# Altium PCB PMSM_LCP037_V0.3.PcbDoc (part 2 of 2)
Units mil, origin at the board's own origin, x right, y up, seen from the top; angles counter-clockwise.
Board outline 6102.36 x 5157.48 mil, 2 copper layers (Top Layer, Bottom Layer); 134 components, 72 nets, 340 pads, 815 vias.
Unrouted connection lines stored in the file: 2.
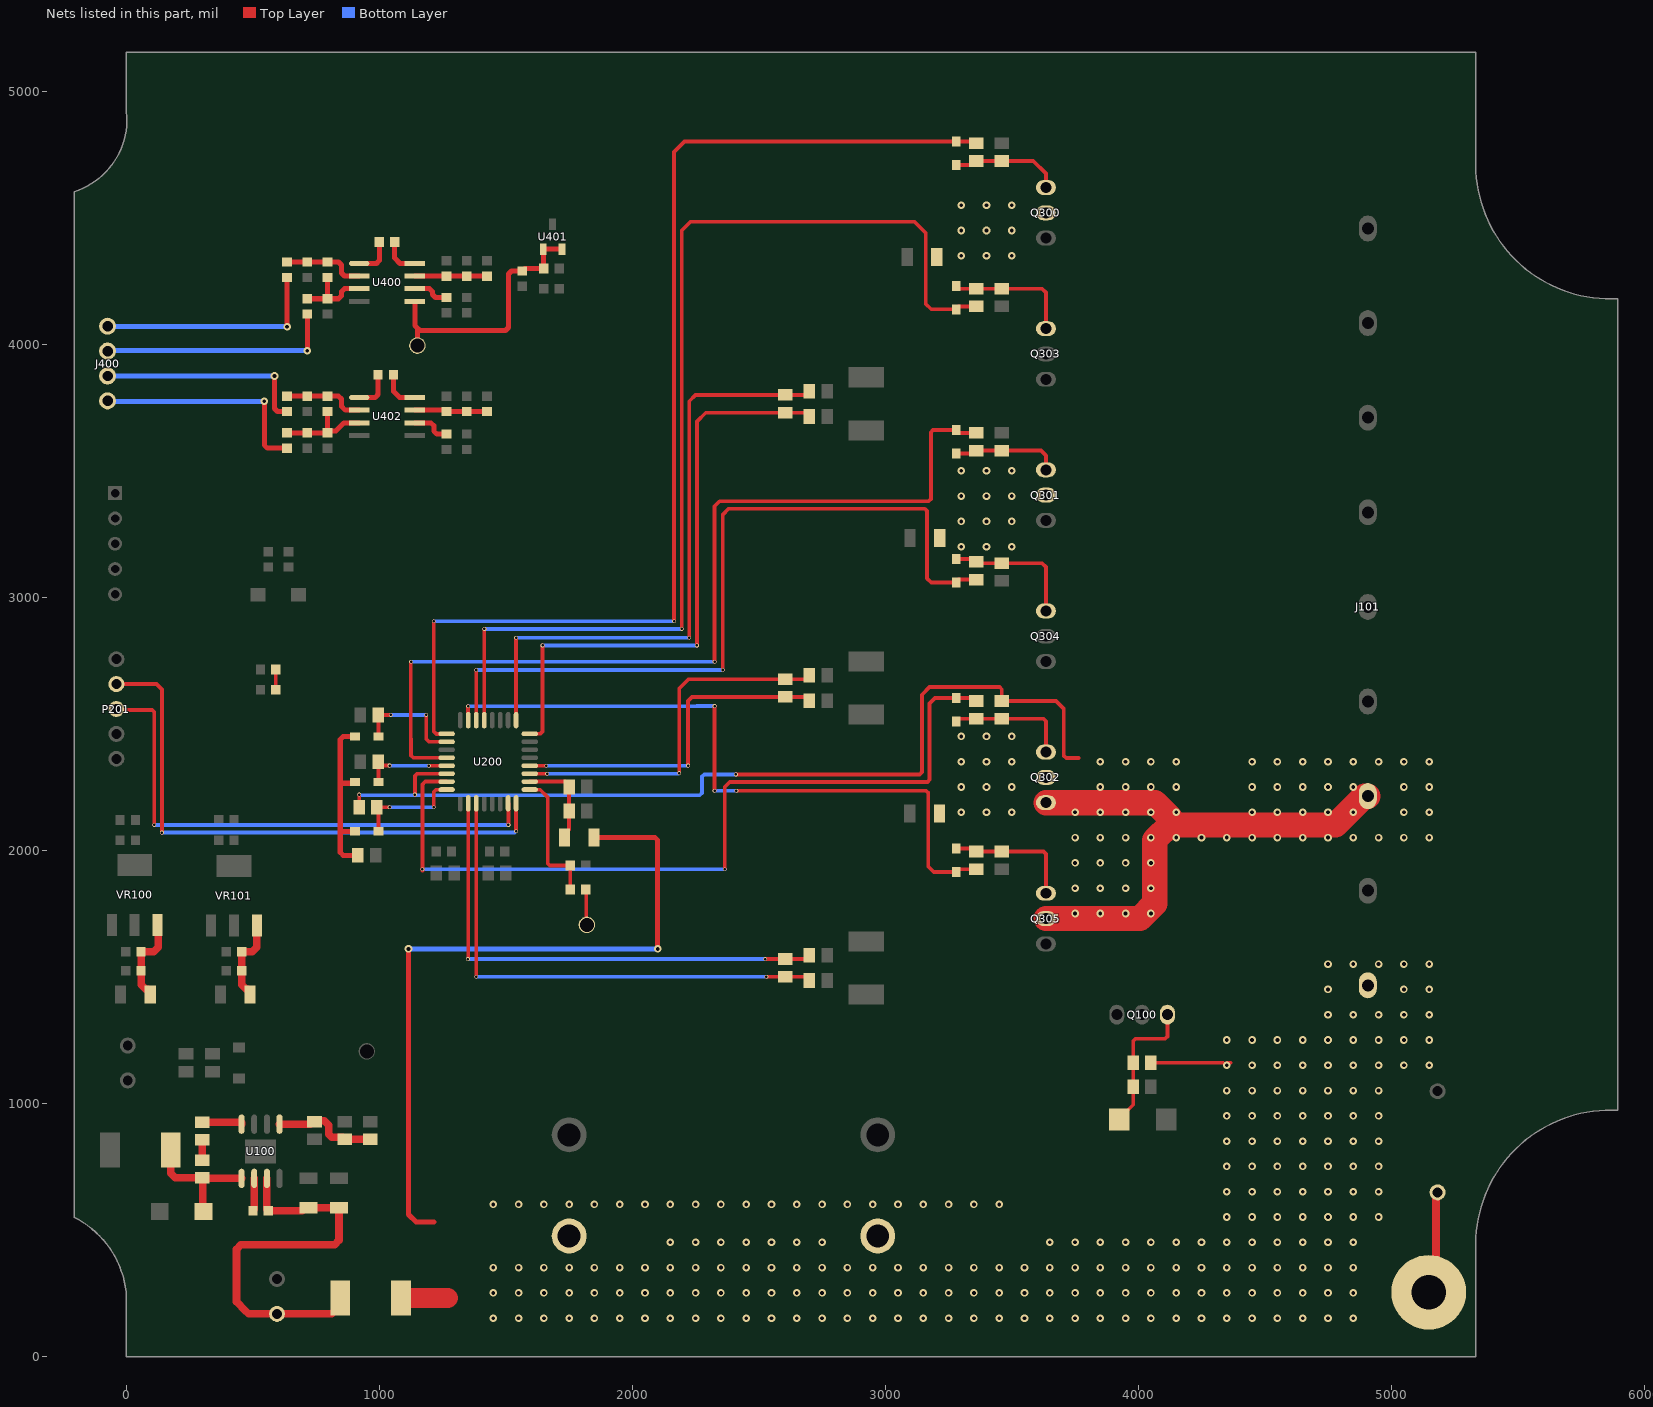
[diagram p2: the nets of this part, all layers, seen from the top]

## Via types
v1: diameter 30, hole 15, Top Layer to Bottom Layer, 713 vias
v2: diameter 15, hole 10, Top Layer to Bottom Layer, 65 vias
v3: diameter 20, hole 12, Top Layer to Bottom Layer, 33 vias
v4: diameter 24, hole 15, Top Layer to Bottom Layer, 4 vias

## Nets (pads, with @x,y where several pads share a name; then routed paths per layer and width w, separated by ;. In a path a pad name is that pad's centre, name@x,y a point inside that pad or via, vN(x,y) a via of type N, cw(c..) or ccw(c..) an arc to the next point about the centre after c; other vN are vias at no path point) (continued)
MOTOR-C: C205.1 J101.3 Q302.3 Q305.2 R304.1 U200.30 | length 5909.1
  Top Layer w15: C205.1@919.96,2170 C205.1@919.96,2170 v2(920,2220) ; v2(1140,2220) 1140,2293.97 1148.79,2302.76 U200.30@1265.63,2302.76 ; v2(2409.32,2300) 3136.21,2300 3145,2308.79 3145,2615 3175,2645 3451.21,2645 3460,2636.21 R304.1@3460,2590.08 3674.92,2590.08 3705,2560 3705,2375 3715,2365 3765,2365
  Top Layer w100: Q305.2@3635,1730 4006.42,1730 4065,1788.58 4065,2040 4125,2100 ; Q302.3@3635,2188 4066.42,2188 4125,2129.42 4125,2100 ; J101.3@4907.48,2214.05 4894.09,2214.05 4780.04,2100 4125,2100
  Bottom Layer w15: v2(920,2220) 922.5,2217.5 2266.21,2217.5 2275,2226.29 2275,2291.21 2283.79,2300 v2(2409.32,2300)
  other v1: 3750,1750 3850,1750 3950,1750 4050,1750 3750,1850 3850,1850 3950,1850 4050,1850 3750,1950 3850,1950 3950,1950 4050,1950 3750,2050 3850,2050 3950,2050 4050,2050 4150,2050 4250,2050 4350,2050 4450,2050 4550,2050 4650,2050 4750,2050 4850,2050 4950,2050 5050,2050 5150,2050 3750,2150 3850,2150 3950,2150 4050,2150 4150,2150 4450,2150 4550,2150 4650,2150 4750,2150 4850,2150 5050,2150 5150,2150 3850,2250 3950,2250 4050,2250 4150,2250 4450,2250 4550,2250 4650,2250 4750,2250 4850,2250 5050,2250 5150,2250 3850,2350 3950,2350 4050,2350 4150,2350 4450,2350 4550,2350 4650,2350 4750,2350 4850,2350 4950,2350 5050,2350 5150,2350
MPPT-I: J400.2 R403.1 | length 935.3
  Top Layer w20: v1(715,3975) R403.1@715,4119.69
  Bottom Layer w20: J400.2@-75,3973.42 -73.43,3975 v1(715,3975)
MPPT-POWER: J400.4 R406.2 | length 889.1
  Top Layer w20: v1(545,3775) 545,3601.4 556.72,3589.68 R406.2@635,3589.68
  Bottom Layer w20: J400.4@-75,3776.58 -73.43,3775 v1(545,3775)
NetC103_1: C103.1 R100.1 R103.2 U100.5 | length 414.1
  Top Layer w30: U100.5@605,917.11 726.75,917.11 739.65,930 782.43,930 800,912.43 800,877.57 812.26,865.31 855.47,865.31 R100.1@863.31,857.48 C103.1@963.31,857.48
NetC104_2: C104.2 C105.2 R105.2 VR100.3 | length 354.3
  Top Layer w30: R105.2@93.66,1430 93.66,1443.19 86.42,1450.43 75.37,1450.43 57.8,1468.01 C104.2@57.8,1523.31 C105.2@57.8,1598.31 107.43,1598.31 125,1615.88 125,1703.23 VR100.3@123.03,1705.2
NetC109_1: C109.1 D100.1 L100.1 U100.1 | length 513.9
  Top Layer w30: L100.1@175,815 175,722.53 192.57,704.96 C109.1@300,704.96 C109.1@301.03,703.93 ; D100.1@303.99,571.83 301.99,573.83 301.99,702.97 C109.1@301.03,703.93 ; U100.1@455,702.89 453.97,703.93 C109.1@301.03,703.93
NetC109_2: C109.2 R102.1 | length 79.9
  Top Layer w30: C109.2@300,775.04 R102.1@300,854.96
NetC110_1: C110.1 C111.2 C112.2 L101.2 R104.2 U100.3 | length 1643.3
  Top Layer w30: U100.3@555,702.89 555,581.3 560.32,575.98 R104.2@560.32,575 695.47,575 706.81,586.34 C112.2@720,586.34 C111.2@840,586.34 840,457.57 822.43,440 452.57,440 435,422.43 435,215 470.01,179.99 482.8,167.2 C110.1@595,167.2 811.73,167.2 845,200.47 L101.2@845,230
NetC116_2: C116.2 C117.2 R109.2 VR101.3 | length 340.3
  Top Layer w30: R109.2@488.66,1430 488.66,1443.19 481.42,1450.43 472.89,1450.43 455.32,1468.01 C116.2@455.32,1523.31 C117.2@455.32,1598.31 497.43,1598.31 515,1615.88 515,1701.34 VR101.3@515.55,1701.89
NetC400_1: C400.1 C402.2 R402.2 U400.2 | length 326.6
  Top Layer w20: R402.2@635,4325.32 C400.1@715,4325.32 C402.2@795,4325.32 838.28,4325.32 850,4313.6 850,4281.72 861.72,4270 U400.2@920,4270
NetC401_1: C401.1 R409.1 R412.1 U400.7 | length 285.1
  Top Layer w20: U400.7@1140,4270 1264.69,4270 C401.1@1265,4269.68 R412.1@1425,4269.69
NetC402_1: C402.1 C405.2 R403.2 U400.3 | length 315.3
  Top Layer w20: R403.2@715,4180.32 C405.2@795,4180.32 ; C402.1@795,4264.68 C405.2@795,4180.32 ; U400.3@920,4220 861.72,4220 850,4208.28 850,4192.03 838.28,4180.32 C405.2@795,4180.32
NetC407_1: C407.1 C409.2 R405.2 U402.2 | length 324.7
  Top Layer w20: R405.2@635,3795.32 C407.1@715,3795.32 C409.2@795,3795.32 838.28,3795.32 850,3783.6 850,3755 865,3740 U402.2@920,3740
NetC408_1: C408.1 R410.1 R413.1 U402.7 | length 287.2
  Top Layer w20: U402.7@1140,3740 1259.69,3740 C408.1@1265,3734.68 R413.1@1425,3734.69
NetC409_1: C409.1 C410.2 R406.1 R408.2 U402.3 | length 385.8
  Top Layer w20: R406.1@635,3650.31 R408.2@715,3650.32 C410.2@795,3650.32 ; C409.1@795,3734.68 C410.2@795,3650.32 ; U402.3@920,3690 860,3690 827.67,3657.67 802.35,3657.67 C410.2@795,3650.32
NetD101_A: D101.A R101.1 | length 80
  Top Layer w15: R101.1@590.31,2635 D101.A@590.32,2715
NetD103_2: D103.2 Q100.1 R106.1 R112.2 | length 562.9
  Top Layer w15: D103.2@3924.11,935 3924.11,937.85 3979.96,993.7 R112.2@3979.96,1065 R106.1@3979.96,1160 3979.96,1246.21 3988.75,1255 4106.21,1255 4115,1263.79 Q100.1@4115,1350
NetD200_1: D200.1 D201.1 D202.1 R203.2 | length 703.7
  Top Layer w20: D201.1@903.43,2270 898.43,2265 845,2265 ; D202.1@903.43,2450 856.72,2450 845,2438.28 845,2265 ; D200.1@903.54,2075 845,2075 ; R203.2@914.96,1980 856.72,1980 845,1991.72 845,2075 ; 845,2075 845,2265
NetD300_1: D300.1 Q301.1 R300.2 R303.2 | length 424
  Top Layer w15: D300.1@3280,3568.54 3348.58,3568.54 R300.2@3360,3579.96 R303.2@3460,3579.96 3615.04,3579.96 3635,3560 Q301.1@3635,3504
NetD301_1: D301.1 Q302.1 R301.2 R304.2 | length 487.4
  Top Layer w15: D301.1@3280,2508.58 3280,2511.16 3288.84,2520 R301.2@3360,2520 R304.2@3460,2520 3625,2520 3635,2510 Q302.1@3635,2388
NetD302_1: D302.1 Q304.1 R306.2 R309.2 | length 542
  Top Layer w15: D302.1@3280,3151.46 3348.58,3151.46 R306.2@3360,3140.04 3365,3135.04 R309.2@3460,3135.04 R309.2@3460,3135.04 3620,3135 3635,3120 Q304.1@3635,2946
NetD303_1: D303.1 Q300.1 R302.2 R305.2 | length 437.5
  Top Layer w15: D303.1@3280,4708.54 3337.48,4708.54 3353.9,4724.96 R302.2@3360,4724.96 R305.2@3460,4724.96 3585.04,4724.96 3635,4675 Q300.1@3635,4620
NetD304_1: D304.1 Q305.1 R307.2 R310.2 | length 518.9
  Top Layer w15: D304.1@3280,2006.46 3353.58,2006.46 3365,1995.04 R310.2@3460,1995.04 3624.96,1995.04 3635,1985 Q305.1@3635,1830
NetD307_1: D307.1 Q303.1 R308.2 R311.2 | length 510.5
  Top Layer w15: D307.1@3280,4231.46 3280,4228.88 3288.84,4220.04 R308.2@3360,4220.04 R311.2@3460,4220.04 R311.2@3460,4220.04 3620,4220 3635,4205 Q303.1@3635,4062
NetJ400_1: J400.1 R402.1 | length 905.5
  Top Layer w20: v1(635,4070) R402.1@635,4264.69
  Bottom Layer w20: J400.1@-75,4071.85 -73.15,4070 v1(635,4070)
NetJ400_3: J400.3 R405.1 | length 845
  Top Layer w20: v1(585,3875) 585,3746.4 596.72,3734.69 R405.1@635,3734.69
  Bottom Layer w20: J400.3@-75,3875 v1@586.54,3875
NetR102_2: R102.2 U100.8 | length 161.1
  Top Layer w30: R102.2@300,925.04 451.85,925.04 455,921.89 U100.8@455,917.11
NetR104_1: R104.1 U100.2 | length 121.6
  Top Layer w30: R104.1@505,581.3 U100.2@505,702.89
NetR200_1: R200.1 R201.2 U200.9 | length 532.5
  Top Layer w15: U200.9@1594.37,2239.76 1595.12,2239.02 1635.98,2239.02 1665,2210 1665,1948.79 1673.79,1940 R200.1@1754.69,1940 R201.2@1754.68,1845
NetR201_1: R201.1 T200.1 | length 141.9
  Top Layer w15: R201.1@1815.31,1845 1817.66,1842.66 1817.66,1707.34 T200.1@1820,1705
NetR400_1: R400.1 U400.1 | length 157.8
  Top Layer w20: U400.1@920,4320 987.97,4320 999.69,4331.72 R400.1@999.69,4405
NetR400_2: R400.2 U400.8 | length 152.1
  Top Layer w20: R400.2@1060.32,4405 1060.32,4341.4 1081.72,4320 U400.8@1140,4320
NetR404_1: R404.1 U400.6 | length 146.4
  Top Layer w20: U400.6@1140,4220 1198.28,4220 1210,4208.28 1210,4196.72 1221.72,4185 1264.69,4185 R404.1@1265,4185.31
NetR407_1: R407.1 U402.6 | length 156
  Top Layer w20: U402.6@1140,3690 1203.28,3690 1215,3678.28 1215,3657.03 1226.72,3645.31 R407.1@1265,3645.31
NetR411_1: R411.1 U402.1 | length 157.8
  Top Layer w20: U402.1@920,3790 982.97,3790 994.69,3801.72 R411.1@994.69,3880
NetR411_2: R411.2 U402.8 | length 160.2
  Top Layer w20: R411.2@1055.32,3880 1055.32,3814.68 1080,3790 U402.8@1140,3790
OPA0N: C303.1 R318.1 U200.16 | length 2355.4
  Top Layer w15: U200.16@1594.37,2460.24 1595.12,2460.98 1636.21,2460.98 1645,2469.77 v2(1645,2810) ; v2(2255,2810) 2255,3695 2289.96,3729.96 C303.1@2605,3729.96 2685,3729.96 R318.1@2699.96,3715
  Bottom Layer w15: v2(1645,2810) v2(2255,2810)
OPA0P: C303.2 R313.1 U200.17 | length 2437.3
  Top Layer w15: v2(1540,2840) 1540.24,2839.76 U200.17@1540.24,2514.37 ; v2(2225,2840) 2225,3775 2250,3800 2400,3800 2400.04,3800.04 C303.2@2605,3800.04 2685,3800.04 R313.1@2699.96,3815
  Bottom Layer w15: v2(1540,2840) v2(2225,2840)
OPA1N: C305.1 R320.1 U200.3 | length 2009
  Top Layer w15: v2(1382.77,1500) U200.3@1382.76,2185.63 ; v2(2530,1500) C305.1@2605,1499.96 C305.1@2605,1499.96 2685,1499.96 R320.1@2699.96,1485
  Bottom Layer w15: v2(1382.77,1500) v2(2530,1500)
OPA1P: C305.2 R315.1 U200.2 | length 1999.9
  Top Layer w15: v2(1350,1570) 1351.26,1571.26 U200.2@1351.26,2185.63 1350.51,2184.88 1350.51,2159.1 U200.2@1350,2158.58 ; v2(2525,1570) C305.2@2605,1570.04 C305.2@2605,1570.04 2685,1570.04 R315.1@2699.96,1585
  Bottom Layer w15: v2(1350,1570) v2(2525,1570)
OPA2N: C304.1 R319.1 U200.12 | length 1373.8
  Top Layer w15: U200.12@1594.37,2334.25 v2(1659.25,2334.25) ; v2(2220,2335) 2220,2590 2236.18,2606.18 C304.1@2605,2606.18 2685,2606.18 R319.1@2699.96,2591.22
  Bottom Layer w15: v2(1659.25,2334.25) 2219.25,2334.25 v2(2220,2335)
OPA2P: C304.2 R314.1 U200.11 | length 1462.7
  Top Layer w15: U200.11@1594.37,2302.76 v2(1662.76,2302.76) ; v2(2185,2305) 2185,2640 2221.26,2676.26 C304.2@2605,2676.26 2685,2676.26 R314.1@2699.96,2691.22
  Bottom Layer w15: v2(1662.76,2302.76) 2182.76,2302.76 v2(2185,2305)
PA0-DIO: P201.3 U200.7 | length 2087.4
  Top Layer w15: P201.3@-40,2558.43 -36.57,2555 101.21,2555 110,2546.21 v2(110,2100) ; U200.7@1508.74,2185.63 1510,2184.37 v2(1510,2100)
  Bottom Layer w15: v2(110,2100) v2(1510,2100)
PA1-CLK: P201.2 U200.8 | length 2267.2
  Top Layer w15: P201.2@-40,2656.85 118.15,2656.85 140,2635 v2(140,2070) ; v2@1540,2075 v2(1540.24,2075.24) U200.8@1540.24,2185.63
  Bottom Layer w15: v2(140,2070) 1535,2070 v2(1540.24,2075.24)
PE: C115.2 T101.6 | length 409.5
  Top Layer w30: T101.6@5148.31,252.52 5176.99,281.21 5176.99,641.21 C115.2@5183.31,647.52
POWER: C300.2 C301.2 C302.2 C310.1 C311.1 J101.1 L101.1 Q300.2 Q301.2 Q302.2 R106.2 R107.2 | length 3337
  Top Layer w15: R106.2@4050.04,1160 4335.94,1160 4345.94,1150 v1(4350,1150) ; v1@4350,1160 4365,1160
  Top Layer w20: v1(1115,1610) 1115,560 1145,530 1215,530 ; R107.2@1848.66,2050 2090,2050 2100,2040 v1(2100,1610)
  Top Layer w80: L101.1@1085,230 1270,230
  Bottom Layer w20: v1(1115,1610) v1(2100,1610)
  other v1: 1450,150 1550,150 1650,150 1750,150 1850,150 1950,150 2050,150 2150,150 2250,150 2350,150 2450,150 2550,150 2650,150 2750,150 2850,150 2950,150 3050,150 3150,150 3250,150 3350,150 3450,150 3550,150 3650,150 3750,150 3850,150 3950,150 4050,150 4150,150 4250,150 4350,150 4450,150 4550,150 4650,150 4750,150 4850,150 1450,250 1550,250 1650,250 1750,250 1850,250 1950,250 2050,250 2150,250 2250,250 2350,250 2450,250 2550,250 2650,250 2750,250 2850,250 2950,250 3050,250 3150,250 3250,250 3350,250 3450,250 3550,250 3650,250 3750,250 3850,250 3950,250 4050,250 4150,250 4250,250 4350,250 4450,250 4550,250 4650,250 4750,250 4850,250 1450,350 1550,350 1650,350 1750,350 1850,350 1950,350 2050,350 2150,350 2250,350 2350,350 2450,350 2550,350 2650,350 2750,350 2850,350 2950,350 3050,350 3150,350 3250,350 3350,350 3450,350 3550,350 3650,350 3750,350 3850,350 3950,350 4050,350 4150,350 4250,350 4350,350 4450,350 4550,350 4650,350 4750,350 4850,350 2150,450 2250,450 2350,450 2450,450 2550,450 2650,450 2750,450 3650,450 3750,450 3850,450 3950,450 4050,450 4150,450 4250,450 4250,450 4350,450 4450,450 4550,450 4650,450 4750,450 4850,450 4350,550 4450,550 4550,550 4650,550 4750,550 4850,550 4950,550 1450,600 1550,600 1650,600 1750,600 1850,600 1950,600 2050,600 2150,600 2250,600 2350,600 2450,600 2550,600 2650,600 2750,600 2850,600 2950,600 3050,600 3150,600 3250,600 3350,600 3450,600 4350,650 4450,650 4550,650 4650,650 4750,650 4850,650 4950,650 4350,750 4450,750 4550,750 4650,750 4750,750 4850,750 4950,750 4350,850 4450,850 4550,850 4650,850 4750,850 4850,850 4950,850 4350,950 4450,950 4550,950 4650,950 4750,950 4850,950 4950,950 4350,1050 4450,1050 4550,1050 4650,1050 4750,1050 4850,1050 4950,1050 4450,1150 4550,1150 4650,1150 4750,1150 4850,1150 4950,1150 5050,1150 5150,1150 4350,1250 4450,1250 4550,1250 4650,1250 4750,1250 4850,1250 4950,1250 5050,1250 5150,1250 4750,1350 4850,1350 4950,1350 5050,1350 5150,1350 4750,1450 5050,1450 5150,1450 4750,1550 4850,1550 4950,1550 5050,1550 5150,1550 3300,2150 3400,2150 3500,2150 3300,2250 3400,2250 3500,2250 3300,2350 3400,2350 3500,2350 3300,2450 3400,2450 3500,2450 3300,3200 3400,3200 3500,3200 3300,3300 3400,3300 3500,3300 3300,3400 3400,3400 3500,3400 3300,3500 3400,3500 3500,3500 3300,4350 3400,4350 3500,4350 3300,4450 3400,4450 3500,4450 3300,4550 3400,4550 3500,4550
UH: D303.2 R302.1 U200.25 | length 4509.7
  Top Layer w15: v2(1215,2905) 1215,2470 1225,2460 1265.39,2460 U200.25@1265.63,2460.24 ; v2(2165,2905) 2165,4760 2206.46,4801.46 D303.2@3280,4801.46 3353.58,4801.46 R302.1@3360,4795.04
  Bottom Layer w15: v2(1215,2905) v2(2165,2905)
UL: D307.2 R308.1 U200.21 | length 4209.2
  Top Layer w15: U200.21@1414.25,2514.37 1414.25,2874.25 v2(1415,2875) ; v2(2195,2875) 2195,4450 2230,4485 3115,4485 3160,4440 3160,4160 3181.46,4138.54 D307.2@3280,4138.54 3280,4141.12 3288.84,4149.96 R308.1@3360,4149.96
  Bottom Layer w15: v2(1415,2875) v2(2195,2875)
VB-U: C205.2 D200.2 U200.32 | length 437.4
  Top Layer w15: D200.2@996.46,2075 996.46,2163.58 C205.2@990.04,2170 v2(1040,2170) ; v2(1215,2170) 1215,2230.23 1223.79,2239.02 1264.88,2239.02 U200.32@1265.63,2239.76
  Bottom Layer w15: v2(1040,2170) v2(1215,2170)
VB-V: C206.2 D201.2 U200.29 | length 355.8
  Top Layer w15: C206.2@994.92,2350 C206.2@996.34,2348.58 ; D201.2@996.34,2270 C206.2@996.34,2348.58 ; v2(1040,2335) 1009.92,2335 C206.2@996.34,2348.58 ; v2(1195.75,2334.25) U200.29@1265.63,2334.25
  Bottom Layer w15: v2(1040,2335) 1040.75,2334.25 v2(1195.75,2334.25)
VB-W: C207.2 D202.2 U200.26 | length 456
  Top Layer w15: D202.2@996.34,2450 996.34,2533.58 C207.2@994.92,2535 v2(1045,2535) ; v2(1185,2535) 1185,2440 1190.01,2434.99 1196.26,2428.74 U200.26@1265.63,2428.74
  Bottom Layer w15: v2(1045,2535) v2(1185,2535)
VCC1.25REF: C404.2 R401.2 T400.1 U400.5 U401.1 U401.3 | length 1061.3
  Top Layer w20: U400.5@1140,4170 1140,4075 1150,4065 ; T400.1@1150,3995 1150,4065 ; U401.3@1722.4,4376.6 U401.1@1647.6,4376.6 1648.8,4375.4 1648.8,4301.2 R401.2@1650,4300 1575.67,4300 1565.98,4290.32 1521.72,4290.32 1510,4278.6 1510,4066.72 1498.28,4055 1160,4055 1150,4065
Vdect: C108.2 R107.1 R108.2 U200.10 | length 375.6
  Top Layer w15: U200.10@1594.37,2271.26 1734.63,2271.26 1749.96,2255.93 C108.2@1749.96,2250 R108.2@1749.96,2155 1749.96,2081.81 1731.34,2063.19 R107.1@1731.34,2050
VH: D300.2 R300.1 U200.28 | length 3650.9
  Top Layer w15: v2@1123.84,2745 1123.84,2441.16 1125,2440 1125,2374.53 1133.79,2365.75 U200.28@1265.63,2365.75 ; v2(2325,2745) 2325,3360 2345,3380 3171.21,3380 3180,3388.79 3180,3652.67 3188.79,3661.46 D300.2@3280,3661.46 3280,3658.88 3288.84,3650.04 R300.1@3360,3650.04
  Bottom Layer w15: v2(1125,2745) v2(2325,2745)
VL: D302.2 R306.1 U200.22 | length 3083.2
  Top Layer w15: v2(1382.39,2712.61) 1382.76,2712.24 U200.22@1382.76,2514.37 ; v2(2357.61,2712.61) 2357.61,3327.61 2380,3350 3156.21,3350 3165,3341.21 3165,3075 3181.46,3058.54 D302.2@3280,3058.54 3280,3061.12 3288.84,3069.96 R306.1@3360,3069.96
  Bottom Layer w15: v2(1382.39,2712.61) v2(2357.61,2712.61)
WH: D301.2 R301.1 U200.31 | length 3282.6
  Top Layer w15: v2@1170,1920 v2(1170,1925) 1170,2260 1181.26,2271.26 U200.31@1265.63,2271.26 ; v2(2365,1925) 2365,2250 2385,2270 3166.21,2270 3175,2278.79 3175,2580 3196.5,2601.5 D301.2@3280,2601.5 3348.58,2601.5 R301.1@3360,2590.08
  Bottom Layer w15: v2(1170,1925) v2@2365.55,1925
WL: D304.2 R307.1 U200.23 | length 2709.8
  Top Layer w15: v2(1350.65,2569.35) 1350.65,2514.98 U200.23@1351.26,2514.37 ; v2(2325,2235) v2(2325,2570) ; v2(2411.37,2235) 3161.21,2235 3170,2226.21 3170,1935 3191.46,1913.54 D304.2@3280,1913.54 3280,1916.12 3288.84,1924.96 R307.1@3360,1924.96
  Bottom Layer w15: v2(1350.65,2569.35) 2255,2569.35 2255.65,2570 v2(2325,2570) ; v2(2325,2235) v2(2411.37,2235)
pads on no net: J101.6 J101.7 J101.8 J101.9 P201.1 U100.6 U100.7 U100.9 U200.13
copper on no net:
  other v4: 510.32,790.31 549.69,790.31 510.32,829.68 549.69,829.68

## Polygon pours and split planes (outlines as drawn)
DGND on Bottom Layer "NONET_L02_P-001" (solid, remove dead copper, pour order 42): 2010,3260 2070,3200 2070,1670 2035,1635 700,1635 680,1655 680,2775 625,2830 445,2830 405,2870 405,3230 435,3260
GND on Bottom Layer "NONET_L02_P-001" (solid, remove dead copper, pour order 46): 4075,1277.94 3967.06,1277.94 3960,1285 3960,1490 3945,1505 3790,1505 3775,1520 3775,1645 3785,1655 4205,1655 4240,1690 4240,1920 4255,1935 5185,1935 5210,1910 5210,1680 5190,1660 4645,1660 4625,1640 4625,1430 4610,1415 4095,1415 4075,1395 4075,1295 4060,1280
DGND on Bottom Layer "DGND_L02_P044" (solid, remove dead copper, pour order 44): 970,1000 1050,920 1050,85 1015,50 440,50 420,70 420,415 350,485 40,485 -130,655 -130,975 -105,1000
DGND on Bottom Layer "NONET_L02_P-001" (solid, remove dead copper, pour order 40): 210,3535 265,3480 1885,3480 1990,3585 1990,4555 1915,4630 240,4630 210,4600
DGND on Bottom Layer "NONET_L02_P-001" (solid, remove dead copper, pour order 27): 1165,765 1200,730 2050,730 3025,730 3105,810 3105,1435 3060,1480 1225,1480 1165,1420
ISENCE on Bottom Layer "NONET_L02_P-001" (solid, remove dead copper, pour order 13): 2470,1600 2445,1625 2445,4105 2470,4130 3140,4130 3155,4115 3155,1630 3125,1600
POWER on Bottom Layer "NONET_L02_P-001" (solid, remove dead copper, pour order 10): 5185,1620 5210,1595 5210,1145 5200,1135 5080,1135 5065,1120 5065,490 5015,440 4905,440 4890,425 4890,70 1200,70 1175,95 1175,645 1210,680 4275,680 4305,710 4305,1345 4320,1360 4645,1360 4675,1390 4675,1600 4695,1620
POWER on Bottom Layer "NONET_L02_P-001" (solid, remove dead copper, pour order 6): 3700,4575 3190,4575 3180,4565 3180,565 3730,565 3730,4545
MOTOR-C on Bottom Layer "NONET_L02_P-001" (solid, remove dead copper, pour order 5): 3575,2240 3728.95,2240 3750,2261.05 3750,2380 3775,2405 5150,2405 5205,2350 5205,1980 5190,1965 4205,1965 4170,1930 4170,1700 4140,1670 3595,1670 3575,1690 3575,1780 3585,1790 3700,1790 3715,1805 3715,2075 3695,2095 3575,2095 3565,2105 3565,2230
MOTOR-B on Bottom Layer "NONET_L02_P-001" (solid, remove dead copper, pour order 3): 4127.45,3350 4149.14,3328.32 4149.14,2775.86 4170,2755 5190.53,2755 5221.3,2724.23 5221.3,2446.3 5205,2430 3770,2430 3725,2475 3725,2780 3715,2790 3585,2790 3575,2800 3575,2890 3585,2900 3700,2900 3705,2905 3705,3165 3690,3180 3590,3180 3575,3195 3575,3340 3585,3350
MOTOR-A on Bottom Layer "NONET_L02_P-001" (solid, remove dead copper, pour order 0): 4690,4465 4745,4410 4745,3205 4785,3165 5170,3165 5220,3115 5220,2790 5205,2775 4225,2775 4175,2825 4175,3595 4150,3620 3745,3620 3720,3645 3720,3895 3710,3905 3570,3905 3560,3915 3560,4000 3575,4015 3695,4015 3715,4035 3715,4340 3705,4350 3570,4350 3560,4360 3560,4455 3570,4465
DGND on Top Layer "NONET_L02_P-001" (solid, remove dead copper, pour order 41): 2010,3260 2070,3200 2070,1670 2035,1635 700,1635 680,1655 680,2775 625,2830 450,2830 405,2875 405,3225 440,3260
GND on Top Layer "NONET_L02_P-001" (solid, remove dead copper, pour order 45): 4075,1277.94 3967.06,1277.94 3960,1285 3960,1490 3945,1505 3790,1505 3775,1520 3775,1645 3785,1655 4205,1655 4240,1690 4240,1920 4255,1935 5185,1935 5210,1910 5210,1680 5190,1660 4645,1660 4625,1640 4625,1430 4610,1415 4095,1415 4075,1395 4075,1295 4060,1280
DGND on Top Layer "DGND_L01_P043" (solid, remove dead copper, pour order 43): 970,1000 1050,920 1050,85 1015,50 440,50 420,70 420,415 350,485 40,485 -130,655 -130,975 -105,1000
DGND on Top Layer "NONET_L02_P-001" (solid, remove dead copper, pour order 39): 210,3535 265,3480 1885,3480 1990,3585 1990,4555 1915,4630 240,4630 210,4600
ISENCE on Top Layer "NONET_L02_P-001" (solid, remove dead copper, pour order 38): 2815,1600 2810,1605 2810,1625 2800,1635 2460,1635 2445,1650 2445,2170 2475,2200 3115,2200 3120,2195 3120,2090 3126.3,2083.7 3146.3,2083.7 3155,2075 3155,1900 3170,1885 3545,1885 3560,1870 3560,1680 3580,1660 3715,1660 3730,1645 3730,1410 3715,1395 3100,1395 3080,1415 3080,1585 3065,1600
IU on Top Layer "NONET_L02_P-001" (solid, remove dead copper, pour order 37): 3110,4105 2445,4105 2445,4410 2470,4435 3090,4435 3110,4415
IU on Top Layer "NONET_L02_P-001" (solid, remove dead copper, pour order 36): 2815,3830 2810,3835 2810,3860 2805,3865 2455,3865 2445,3875 2445,4105 2470,4130 3140,4130 3155,4115 3155,4085 3165,4075 3535,4075 3550,4060 3550,3910 3560,3900 3700,3900 3710,3890 3710,3720 3695,3705 3015,3705 2995,3725 2995,3830
ISENCE on Top Layer "NONET_L02_P-001" (solid, remove dead copper, pour order 35): 2995,2575 2995,2645 3005,2655 3145,2655 3155,2645 3155,2340 3135,2320 2455,2320 2445,2330 2445,2565 2455,2575
IV on Top Layer "NONET_L02_P-001" (solid, remove dead copper, pour order 33): 2855,2705 2465,2705 2445,2725 2445,3305 2465,3325 3110,3325 3120,3315 3120,3025 3135,3010 3525,3010 3535,3000 3535,2790 3545,2780 3700,2780 3715,2765 3715,2625 3705,2615 3515,2615 3505,2625 3505,2655 3495,2665 3002.5,2665 2995,2680 2995,2685 2995,2705
ISENCE on Top Layer "NONET_L02_P-001" (solid, remove dead copper, pour order 32): 2995,3700 3120,3700 3130,3690 3130,3430 3120,3420 2460,3420 2445,3435 2445,3680 2465,3700
POWER on Top Layer "NONET_L02_P-001" (solid, remove dead copper, pour order 31): 3730,2313 3700,2343 3577,2343 3560,2360 3560,2465 3550,2475 3190,2475 3175,2460 3175,2060 3195,2040 3525,2040 3550,2065 3550,2229.42 3567.79,2247.21 3719.21,2247.21 3730,2258
POWER on Top Layer "NONET_L02_P-001" (solid, remove dead copper, pour order 30): 3575,4575 3570,4580 3570,4665 3555,4680 3190,4680 3180,4670 3180,4275 3190,4265 3530,4265 3550,4285 3550,4460 3565.2,4475.2 3715.2,4475.2 3730,4490 3730,4565 3720,4575
POWER on Top Layer "NONET_L02_P-001" (solid, remove dead copper, pour order 29): 3730,3450 3720,3460 3575,3460 3565,3470 3565,3530 3555,3540 3185,3540 3180,3535 3180,3190 3190,3180 3555,3180 3565,3190 3565,3343.53 3580.47,3359 3715,3359 3730,3374
DGND on Top Layer "NONET_L02_P-001" (solid, remove dead copper, pour order 26): 2810,1470 2805,1465 2805,1435 2795,1425 1173.33,1425 1165,1400 1165,765.97 1200.97,730 3890,730 3950,790 3950,1400 3880,1470 2995,1470
no net on Top Layer "NONET_L02_P-001" (solid, pour order 25): 2805,4430
POWER on Top Layer "NONET_L02_P-001" (solid, remove dead copper, pour order 21): 3190,4575 3180,4565 3180,4275 3190,4265 3530,4265 3550,4285 3550,4460 3565,4475 3715,4475 3730,4490 3730,4545 3700,4575
no net on Top Layer "NONET_L02_P-001" (solid, pour order 17): 2825,3755
no net on Top Layer "NONET_L02_P-001" (solid, pour order 15): 2825,3770
no net on Top Layer "NONET_L02_P-001" (solid, pour order 12): 3730,4475
POWER on Top Layer "NONET_L02_P-001" (solid, remove dead copper, pour order 9): 5185,1620 5210,1595 5210,1145 5200,1135 5080,1135 5065,1120 5065,490 5015,440 4905,440 4890,425 4890,70 1200,70 1175,95 1175,645 1210,680 4275,680 4305,710 4305,1345 4320,1360 4645,1360 4675,1390 4675,1600 4695,1620
MOTOR-C on Top Layer "NONET_L02_P-001" (solid, remove dead copper, pour order 4): 3575,2240 3728.95,2240 3750,2261.05 3750,2380 3775,2405 5150,2405 5205,2350 5205,1980 5190,1965 4205,1965 4170,1930 4170,1700 4140,1670 3595,1670 3575,1690 3575,1780 3585,1790 3700,1790 3715,1805 3715,2075 3695,2095 3575,2095 3565,2105 3565,2230
MOTOR-B on Top Layer "NONET_L02_P-001" (solid, remove dead copper, pour order 2): 4127.45,3350 4149.14,3328.32 4149.14,2775.86 4170,2755 5190.53,2755 5221.3,2724.23 5221.3,2446.3 5205,2430 3770,2430 3725,2475 3725,2780 3715,2790 3585,2790 3575,2800 3575,2890 3585,2900 3700,2900 3705,2905 3705,3165 3690,3180 3590,3180 3575,3195 3575,3340 3585,3350
MOTOR-A on Top Layer "NONET_L02_P-001" (solid, remove dead copper, pour order 1): 4690,4465 4745,4410 4745,3205 4785,3165 5170,3165 5220,3115 5220,2790 5205,2775 4225,2775 4175,2825 4175,3595 4150,3620 3745,3620 3720,3645 3720,3895 3710,3905 3570,3905 3560,3915 3560,4000 3575,4015 3695,4015 3715,4035 3715,4340 3705,4350 3570,4350 3560,4360 3560,4455 3570,4465

## Silkscreen, mask and mechanical layers (free items; w line width, h text height)
Top Overlay:
  circle w10: c187.01,4899.09 r157.48
  circle w10: c5147.64,4899.09 r157.48
  circle w10: c187.01,253.43 r157.48
  circle w10: c5147.64,253.43 r157.48
  lines w10: -135,2915 -135,3510
  text "光伏水泵控制LCP037" at 650,4959.16 h150
  text "2023-6-13-V0.3" at 649.89,4816.33 h120
  text "MPPT" at -145,4275 h80
  text "1.25V" at 940,4055.89 h80
  text "GD1" at 90,4050.89 h80
  text "I" at 110,3950 h80
  text "GD2" at 95,3845.89 h80
  text "V" at 95.07,3730 h80
  text "下载口" at 0,3536.96 h80
  text "5V" at 125,3390.89 h80
  text "DG" at 125,3290.89 h80
  text "复位" at 790,2961.96 h80
  text "U" at 5273.62,2885.57 h200
  text "5V指示" at 656.73,2785 h80 r270
  text "数码管" at 75,2737.25 h80
  text "CLK_PA1" at 118.11,2615.74 h80
  text "DIO_PA0" at 118.11,2537 h80
  text "V" at 5269.87,2489.65 h200
  text "GD" at 118.11,2444.94 h80
  text "5V" at 118.11,2326.83 h80
  text "W" at 5253.94,2131.38 h200
  text "-" at 5293.31,1746.84 h300
  text "+" at 5281.5,1398.05 h200
  text "12V" at 885,1105 h80
  text "外壳" at 5088.67,25.37 h90
Top Solder:
  drawing of 168 lines, arcs and shapes, not listed
Bottom Solder:
  lines w59.06: 1240,145 1377.8,145 ; 1245,295 1382.8,295 ; 1250,435 1387.8,435 ; 1250,930 1387.8,930 ; 1250,1330 1387.8,1330 ; 1255,1105 1392.8,1105 ; 1561,145 1698.8,145 ; 1565,295 1702.8,295 ; 1565,1330 1702.8,1330 ; 1570,1110 1707.8,1110 ; 1882,145 2019.8,145 ; 1885,295 2022.8,295 ; 1955,1300 2092.8,1300 ; 1977.76,1106.05 2115.56,1106.05 ; 2060,435 2197.8,435 ; 2203,145 2340.8,145 ; 2205,295 2342.8,295 ; 2365,435 2502.8,435 ; 2380,1320 2517.8,1320 ; 2405,1100 2542.8,1100 ; 2495,3625 2632.8,3625 ; 2524,145 2661.8,145 ; 2525,295 2662.8,295 ; 2557.2,2000 2695,2000 ; 2567.2,1815 2705,1815 ; 2567.2,2405 2705,2405 ; 2610,3545 2747.8,3545 ; 2655,435 2792.8,435 ; 2837.2,1815 2975,1815 ; 2842.2,1990 2980,1990 ; 2845,145 2982.8,145 ; 2845,295 2982.8,295 ; 2852.2,2400 2990,2400 ; 2855,3540 2992.8,3540 ; 3105,1657.2 3105,1795 ; 3110,595 3247.8,595 ; 3110,2750 3110,2887.8 ; 3165,295 3302.8,295 ; 3166,145 3303.8,145 ; 3400,435 3537.8,435 ; 3485,295 3622.8,295 ; 3487,145 3624.8,145 ; 3580,620 3717.8,620 ; 3750,435 3887.8,435 ; 3760,3245 3897.8,3245 ; 3765,3115 3902.8,3115 ; 3770,2700 3907.8,2700 ; 3770,2900 3907.8,2900 ; 3770,3000 3907.8,3000 ; 3775,2790 3912.8,2790 ; 3790,2605 3927.8,2605 ; 3790,3795 3927.8,3795 ; 3790,3898.33 3927.8,3898.33 ; 3790,4001.67 3927.8,4001.67 ; 3790,4105 3927.8,4105 ; 3790,4208.33 3927.8,4208.33 ; 3790,4311.67 3927.8,4311.67 ; 3790,4415 3927.8,4415 ; 3795,2515 3932.8,2515 ; 3805,295 3942.8,295 ; 3808,145 3945.8,145 ; 3825,2290 3962.8,2290 ; 3830,2180 3967.8,2180 ; 3835,1910 3972.8,1910 ; 3845,1785 3982.8,1785 ; 3850,2060 3987.8,2060 ; 3900,3700 4037.8,3700 ; 3922.2,1570 4060,1570 ; 4015,3800 4152.8,3800 ; 4015,3901.67 4152.8,3901.67 ; 4015,4003.33 4152.8,4003.33 ; 4015,4105 4152.8,4105 ; 4015,4206.67 4152.8,4206.67 ; 4015,4308.33 4152.8,4308.33 ; 4015,4410 4152.8,4410 ; 4055,3090 4055,3227.8 ; 4060,2565 4060,2702.8 ; 4060,2825 4060,2962.8 ; 4090,2145 4090,2282.8 ; 4095,1765 4095,1902.8 ; 4105,435 4242.8,435 ; 4125,295 4262.8,295 ; 4129,145 4266.8,145 ; 4160,3700 4297.8,3700 ; 4237.2,1550 4375,1550 ; 4245,2100 4382.8,2100 ; 4245,3200 4382.8,3200 ; 4250,3095 4387.8,3095 ; 4260,2655 4397.8,2655 ; 4260,3600 4397.8,3600 ; 4280,2540 4417.8,2540 ; 4300,3800 4437.8,3800 ; 4300,4200 4437.8,4200 ; 4300,4300 4437.8,4300 ; 4415,145 4552.8,145 ; 4415,295 4552.8,295 ; 4415,435 4552.8,435 ; 4415,570 4552.8,570 ; 4415,685 4552.8,685 ; 4415,820 4552.8,820 ; 4415,970 4552.8,970 ; 4415,1105 4552.8,1105 ; 4415,1255 4552.8,1255 ; 4445,3700 4582.8,3700 ; 4470,1720 4470,1857.8 ; 4485,3500 4622.8,3500 ; 4490,3405 4627.8,3405 ; 4500,3290 4637.8,3290 ; 4530,3190 4667.8,3190 ; 4545,2285 4682.8,2285 ; 4550,2185 4687.8,2185 ; 4550,3090 4687.8,3090 ; 4550,3800 4687.8,3800 ; 4555,3595 4692.8,3595 ; 4555,3995 4692.8,3995 ; 4555,4100 4692.8,4100 ; 4560,2085 4697.8,2085 ; 4560,2645 4697.8,2645 ; 4560,2950 4697.8,2950 ; 4560,3900 4697.8,3900 ; 4560,4300 4697.8,4300 ; 4565,4200 4702.8,4200 ; 4570,2540 4707.8,2540 ; 4575,1855 4712.8,1855 ; 4580,1730 4717.8,1730 ; 4725,570 4862.8,570 ; 4725,705 4862.8,705 ; 4725,810 4862.8,810 ; 4725,965 4862.8,965 ; 4725,1105 4862.8,1105 ; 4725,1270 4862.8,1270 ; 4755,2840 4892.8,2840 ; 4790,295 4790,432.8 ; 4850,3105 4987.8,3105 ; 5032.2,1275 5170,1275 ; 5035,2950 5172.8,2950 ; 5060,2135 5060,2272.8 ; 5060,2540 5060,2677.8 ; 5065,1720 5065,1857.8 ; 5110,1382.2 5110,1520
Mechanical 1:
  circle w10: c187.72,252.99 r68.9
  circle w10: c187.72,4897.68 r68.9
  circle w10: c5147.64,4899.09 r68.9
  lines w10: -206.69,548.7 cw(c-374.92,213) 0,233.74 0,-2.48 5334.65,-2.48 5334.65,469.96 cw(c5866.14,440.43) 5895.67,971.93 5895.67,4180.59 cw(c5866.14,4712.09) 5334.65,4682.56 5334.65,5155 0,5155 0,4918.78 cw(c-297.17,4888.49) -206.69,4603.82 -206.69,2576.26 -206.69,548.7